# KiCad board Marble.kicad_pcb (continued)
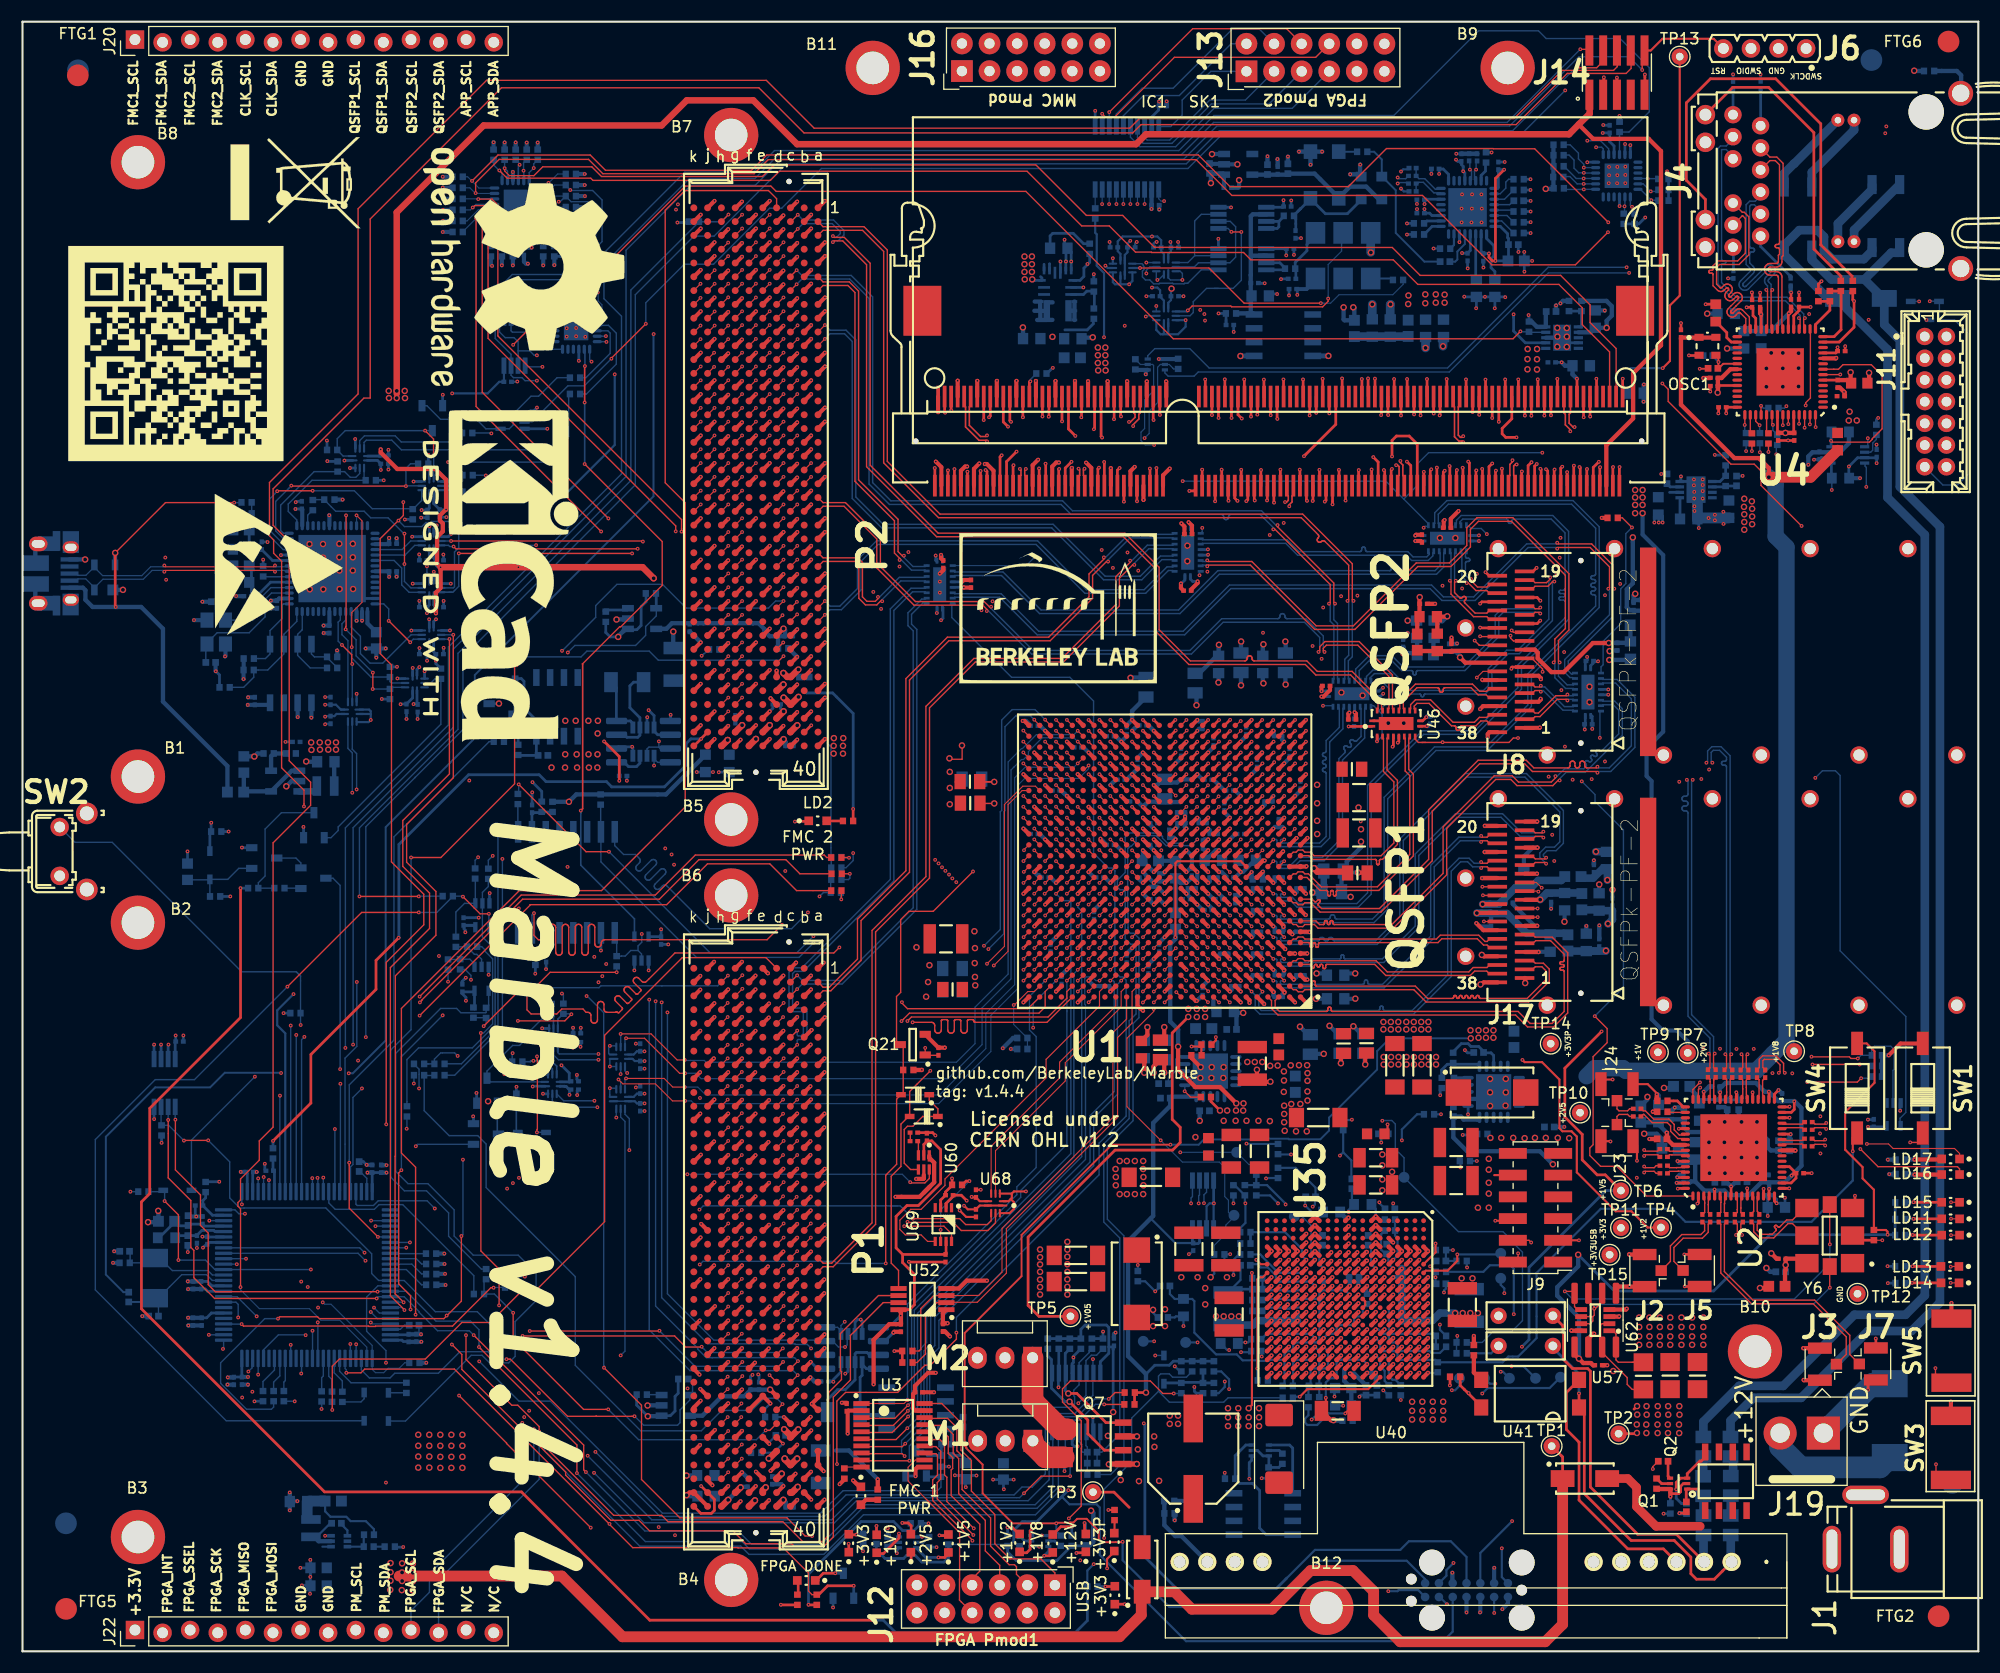
[diagram p0: board, top side]
## Routing (per net, layer and track width the routed paths; a pad name or vN(x,y) marks a point on that pad's centre or on a via; arc(x,y) is an arc through that point) (continued)
  Bottom w0.254: v1(36.52,90.59) 36.3,90.37 U24.2 ; 36.36,86.5 v1(36.36,85.82) ; C178.2 v1(35.34,85.82) ; U16.8 110.07,130.01 v1(110.06,130.02) ; C112.2 117.01,128.55 v1(117.02,128.54) ; v1(111.23,132.91) 111.22,132.92 U19.8 ; C108.2 115.85,126.33 v1(115.83,126.31) ; C117.2 116.76,133.54 v1(116.77,133.55) ; U31.4 142.16,120.45 U31.11 ; v1(141.66,118.65) 141.65,118.64 C25.2 ; C110.2 111.47,121.45 v1(111.48,121.45) ; 114.71,124.95 115.45,124.95 v1(115.47,124.93) ; 150.95,104.51 v1(150.95,103.9) ; Q9.2 43.72,87.22 43.73,87.21 ; v1(51.43,125.95) 51.41,125.93 C342.2 ; v1(72.54,26.64) 73.16,26.01 U63.1 ; v1(36.54,92.34) 36.53,92.34 C180.2 ; C8.2 69.07,86.81 v1(68.77,86.52) ; C121.2 136.44,124.67 v1(136.46,124.64) ; C121.2 135.51,123.64 v1(135.5,123.63) ; C121.2 134.61,124.67 v1(134.6,124.68) 134.58,124.67 C120.2 ; v1(138.8,131.55) 138.79,131.54 R99.1 ; 145.18,88.54 145.94,88.54 v1(145.95,88.53) ; U63.6 79.38,28.55 v1(80.16,29.33) ; R188.2 85.26,17 v1(85.26,17) ; v1(162.2,41.75) 162.21,41.74 162.21,40.94 162.21,41 161.97,41.24 v1(161.44,41.24) 161.44,41.59 161.1,41.93 ; R181.2 114.63,15.93 v1(114.05,15.93) ; 51.15,51.73 51.05,51.63 v1(51.05,51.2) ; v1(155.18,104.31) 154.18,104.31 154.15,104.28 C72.1 154.15,104.13 154.28,104 v1(154.28,103.39) ; 56.17,82.43 56.17,83.19 v1(56.11,83.26) 54.84,83.26 54.67,83.1 ; v1(26.49,8.42) 26.5,8.4 C129.2 ; 94.46,10.65 93.82,10.65 v1(93.81,10.66) ; v1(72.58,90.33) 72.41,90.15 C5.2 ; C411.2 96.17,129.29 95.91,129.56 v1(95.91,129.94) ; C411.2 96.03,129.01 v1(96.03,127.93) 96.02,127.92 U58.17 ; C411.2 96.52,128.81 v1(96.52,127.93) 96.52,127.93 U58.18 ; C58.2 v1(157.43,145.16) ; v1(51.36,55.64) 51.38,55.66 C212.2 ; C38.2 46.9,79.05 v1(46.92,79.07) ; 131.56,50.91 131.63,50.84 U36.12 ; 131.56,50.91 131.56,51.68 C393.2 ; 131.56,50.91 131.56,50.24 C139.2 ; 40.46,61.36 40.46,61.66 v1(40.8,62) ; v1(47.35,114.48) 47.05,114.18 46.75,114.18 46.4,113.83 U61.1 ; v1(82.79,10.54) 82.77,10.52 82.24,10.52 ; 54.68,94.99 v2(54.67,94.97) ; v1(158.32,108.19) 158.3,108.18 C70.2 ; 24.6,14.61 v1(24.6,14.62) ; v1(98.6,126.76) 98.6,126.34 ; U8.3 47.84,57.33 v1(47.83,57.34) ; U28.5 12.1,55.84 v1(12.11,55.85) ; C11.2 65.9,86.14 v1(66.22,86.45) ; 84.18,100.29 84.05,100.42 v1(84.05,100.86) ; v1(47.77,53.34) 47.77,53.33 47.99,53.11 U9.3 ; v1(41.99,67.53) 40.59,67.53 40.56,67.55 ; v1(36.51,100.97) 36.53,100.95 C184.2 ; v1(138.8,133.51) 138.79,133.52 138.17,133.52 ; C123.2 137.66,128.83 v1(137.68,128.81) ; 96.62,20.13 96.62,19.34 ; v1(156.97,126.38) 156.98,126.37 C352.2 ; U17.3 75.97,25.78 75.75,25.56 v1(75.72,25.56) ; 113.92,125.92 v1(114.32,125.92) ; v1(33.68,108.78) 33.67,108.78 C183.2 ; U25.3 39.34,93.96 v1(39.34,93.97) ; U34.24 147.98,138.64 v1(147.98,138.64) ; 132.44,137.84 131.96,137.84 v1(131.96,137.85) ; Q18.2 20.21,73.97 v1(20.19,73.98) ; C355.2 36.53,96.68 v1(36.52,96.69) ; 26.45,6.08 25.73,6.08 v1(25.71,6.07) ; 143.83,86.19 143.83,85.4 C290.2 143.77,84.87 v1(143.79,84.85) ; C138.2 120.75,24.18 v1(120.75,23.45) ; v1(159.97,145.16) 159.97,145.15 C59.2 ; v1(39.42,98.28) 39.41,98.28 U15.3 ; C65.2 67.79,25.41 v1(67.71,25.48) ; v1(38.73,100.96) 38.75,100.94 C187.2 ; U39.23 51.7,124.57 v1(51.71,124.58) ; U25.1 37.44,94.98 v1(37.42,95) ; v1(133.01,127.3) 133,127.31 C125.2 ; v1(134.05,102.2) 134.04,102.2 133.24,102.2 ; R88.2 18.13,89.87 v1(17.79,90.21) ; 150.19,104.51 v1(150.19,103.9) ; v1(25.15,105.78) 25.22,105.85 C164.2 ; 150.59,104.51 v1(150.59,103.9) ; v1(44.29,84.34) 44.31,84.33 R201.2 ; R120.1 v1(22.15,100.49) ; v1(41.48,49.24) 41.51,49.21 Q5.2 ; C126.2 134.44,127.39 v1(134.46,127.37) ; 106.98,99.05 106.98,98.61 106.6,98.23 ; v1(128.34,132.76) 128.34,132.39 C124.2 ; U23.41 31.25,96.91 U23.57 ; v1(144,91.53) 144.02,91.51 144.02,91.25 143.89,91.13 143.89,91.13 143.83,91.07 143.83,90.39 ; R104.2 151.65,12.67 v1(151.03,12.67) ; U17.8 77.28,30.41 v1(77.15,30.53) 76.85,30.53 76.62,30.31 76.62,29.22 ; v1(37.86,99.37) 37.84,99.35 U15.2 ; C39.2 48.19,62.8 v1(48.18,62.79) ; v1(21.35,23) 21.36,23.02 R21.1 ; R272.1 v1(18.97,75.45) ; U23.10 23.79,100.91 v1(23.78,100.9) ; U24.3 37,90.21 v1(37,90.21) ; v1(98.51,21.55) 98.51,21.55 98.51,20.2 ; C310.2 v1(16.05,37.13) ; v1(38.12,103.64) 37.85,103.36 37.85,102.91 U38.2 ; v1(30.62,111.59) 30.64,111.57 U33.3 ; U9.1 46.99,52.01 v1(46.96,51.98) ; C147.1 C149.1 123.2,23.58 v1(123.05,23.43) ; 124.46,88.39 124.88,88.39 125.19,88.7 v1(125.21,88.7) ; U54.10 17.04,33.14 16.83,33.35 C206.2 ; v1(98.73,141.8) 98.72,141.79 U12.11 ; C109.2 117.66,130.07 v1(117.67,130.08) ; R102.1 v1(138.79,134.51) ; C66.2 67,25.29 67.15,25.44 v1(67.18,25.44) ; 130.89,103.55 130.89,103.92 130.88,103.93 v1(130.88,104.13) ; 92.88,9.65 93.55,9.65 v1(93.57,9.63) ; v1(156.55,103.77) 156.59,103.77 157.05,104.24 C71.1 157.05,104.38 v1(156.54,104.89) ; U11.1 57.62,62.69 v1(57.63,62.68) ; C185.2 39,104.39 v1(39.01,104.4) ; 170.64,110.67 v1(170.64,111.07) ; v1(91.22,15.8) 91.22,15.8 C343.2 ; U11.3 56.32,62.69 v1(56.31,62.68) ; v1(133.78,123.63) 133.81,123.65 C120.2 ; C210.2 136.41,137.08 v1(136.41,137.09) ; v1(152.64,108.14) 152.63,108.13 152.63,107.78 U47.4 153.28,107.68 U47.9 ; v1(22.3,44.87) 22.3,44.87 22.3,44.33 ; U39.9 51.2,118.79 v1(51.2,118.79) ; v1(31.67,44.77) 31.37,45.07 C309.1 ; 86.79,16.18 85.82,16.18 v1(85.81,16.2) ; 86.79,16.18 87.79,16.18 v1(87.79,16.18) ; 86.79,16.18 86.79,15.13 v1(86.81,15.1) ; v1(19.36,97.58) C167.2 v1(18.31,98.39) ; v1(19.43,104.77) 19.45,104.74 R116.2 ; v1(59.65,86.21) 59.65,85.68 59.62,85.66 U64.1 ; C308.2 v1(15.21,36.74) ; U28.4 12.1,49 v1(12.11,48.99) ; R101.1 v1(138.79,135.5) ; v1(109.65,41.23) 109.62,41.26 U29.4 ; v1(155.75,110.13) 155.78,110.1 R69.1 ; 80.66,9.52 80.47,9.33 v1(80.47,9.03) ; v1(169.85,48.94) 170.38,48.94 170.41,48.91 ; 34.3,9.58 35.02,9.58 ; 133.57,55.09 133,55.09 v1(132.75,55.34) ; C356.2 38.75,96.68 v1(38.76,96.69) ; U38.3 39.2,102.6 v1(39.44,102.85) ; v1(106.66,103.83) 106.98,103.5 106.98,103.25 ; v1(43,69.79) 42.98,69.77 U7.3 ; 51.2,52.47 51.03,52.64 v1(51.03,53.05) ; v1(38.76,92.37) 38.75,92.36 38.75,91.79 ; U34.18 144.02,137.07 v1(144.01,137.07) ; Q6.2 38.67,115.65 v1(38.68,115.66) ; U20.22 132.25,129.71 v1(132.25,129.71) ; 84.18,96.09 84.18,95.6 v1(84.15,95.57) 84.15,95.65 ; v1(22.55,102.1) 22.53,102.12 C175.2 ; C129.2 26.5,6.85 v1(26.49,6.84) 26.49,6.04 C76.2 ; C129.2 v1(25.57,7.68) ; v1(73.81,27.91) 73.81,27.3 U63.2 ; v1(109.1,101.43) 109.07,101.4 108.33,101.4 ; v1(90.32,14.91) 90.28,14.95 C343.2 ; v1(127.42,130.41) 127.43,130.42 R96.1 ; U34.9 146.98,133.03 v1(146.98,133.03) ; v1(95.53,127.93) 95.52,127.92 U58.16 ; U54.74 35.55,29.14 35.6,29.18 ; C120.2 132.72,124.67 v1(132.69,124.69) ; v1(97.1,18.86) 96.8,18.86 96.61,19.05 96.61,20.2 ; C213.2 51.38,57.39 v1(51.38,57.39) ; C13.1 v1(62.05,80.93) ; R97.1 127.43,131.44 v1(127.42,131.43) ; R100.1 v1(138.8,130.55) ; C360.2 v1(15.19,73.63) ; C168.2 v1(18.36,101.44) ; 129.04,102.2 128.19,102.2 v1(128.19,102.2) ; Q8.2 82.17,16.14 v1(82.19,16.12) ; v1(119.56,88.38) 119.56,88.39 120.26,88.39 ; U30.10 v1(53.24,64.51) ; C343.2 v1(89.33,15.8) ; C132.2 24.64,13.82 ; v1(150.82,108.37) 150.83,108.38 C74.2 ; v1(29.63,109.6) 29.82,109.6 29.84,109.62 U33.1 ; U6.2 165.55,109.87 C44.2 ; v1(65.96,80.94) 65.95,80.93 C12.1 64.09,80.93 v1(64.08,80.91) ; C166.2 v1(24.2,83.71) ; C186.2 33.67,110.59 v1(33.68,110.59) ; C116.2 128.34,133.61 v1(128.34,133.23) ; Q17.2 41.8,51.38 v1(41.78,51.4) ; v1(57.5,85.98) 57.47,85.96 U32.3 ; C75.2 15.9,40.11 v1(15.99,40.02) ; 20.68,42.31 20.68,43.99 C198.2 ; v1(26.46,5.29) 26.45,5.31 26.45,6.03 ; 110.95,33.33 C152.1 C144.1 ; U61.3 v1(48.3,112.53) ; C182.2 36.69,104.35 v1(36.69,104.35) ; v1(42.9,62.27) 42.9,62.27 U10.3 ; 129.68,136.49 129.68,136.01 ; U38.10 35.87,102.6 v1(35.86,102.59) ; C191.1 14.8,56.68 v1(14.81,56.68) ; 85.53,98.44 86.36,98.44 v1(86.41,98.39) ; v1(164.88,109.69) 165.29,109.69 ; C291.2 122.6,85.88 v1(122.6,86.43) 122.61,86.43 122.61,87.04 ; v1(116.56,124.81) 116.57,124.81 C115.2 ; v1(145.49,140.5) 145.52,140.46 C215.2 ; R98.1 v1(138.8,132.53) ; v1(52.19,124.58) 52.2,124.57 U39.24 ; R212.2 110.65,15.9 v1(110.65,16.43) ; v1(38.06,95) 37.84,94.78 U25.2 ; v1(16.56,38.17) 16.56,38.16 17.02,38.16 17.04,38.14 U54.20 ; C351.2 v1(55.62,80.13) ; v1(59.43,65.07) 59.43,65.07 C78.2 ; 130.48,51.68 v1(130.48,51.19) ; v1(39.47,107.69) 39.46,107.68 U26.3 ; 172.8,50.45 172.8,49.76 v1(172.81,49.75) ; v1(25.85,75.89) 25.87,75.87 Q24.2 ; Q19.2 v1(74.6,4.03)
  Bottom w0.381: v1(20.75,24.54) 20.74,24.55 C203.2 ; R144.2 v1(38.82,36.6) ; C199.2 v1(15.99,40.02) 15.28,40.02 15.24,40.06 ; 8.98,35.75 v1(8.33,35.75) ; R146.2 v1(38.83,35.65) ; C219.2 113.97,67.88 v1(114.12,67.73) ; v1(112.12,68.73) 111.97,68.88 C248.2 ; C269.2 108.62,68.23 v1(108.12,68.73) ; C271.2 104.47,74.38 v1(104.12,74.73) ; C261.2 109.62,83.23 v1(109.12,82.73) ; v1(102.12,80.73) 102.62,81.23 C389.2 ; v1(94.12,63.73) U1.E24 C258.2 ; C262.2 93.62,75.23 v1(94.12,74.73) ; C256.2 111.62,75.23 v1(111.12,74.73) ; C387.2 100.62,84.23 v1(101.12,83.73) 101.64,84.25 C388.2 ; C260.2 98.62,68.23 v1(99.12,68.73) ; C231.2 107.27,69.88 v1(107.12,69.73) 107.47,69.38 C277.2 ; v1(117.12,78.73) 117.62,79.23 C338.2 ; v1(116.12,75.73) 115.97,75.88 C391.2 115.27,75.88 v1(115.12,75.73) ; C336.2 113.62,81.23 v1(113.12,80.73) ; C250.2 100.62,74.23 v1(101.12,73.73) ; 109.47,80.23 109.62,80.23 v1(110.12,79.73) 110.62,79.23 110.77,79.23 ; C234.2 117.97,69.88 v1(118.12,69.73) ; v1(94.12,84.73) 93.62,85.23 93.47,85.23 ; 109.97,75.23 109.97,75.58 v1(110.12,75.73) ; v1(98.12,82.73) 97.62,83.23 97.47,83.23 ; C333.2 U1.E14 v1(104.12,63.73) 103.62,63.23 C335.2 ; v1(114.12,63.73) 113.97,63.88 C217.2 ; C275.2 104.62,69.23 v1(105.12,68.73) ; C264.2 U1.M7 v1(112.12,71.73) 112.32,71.73 113.37,72.79 v1(114.32,72.79) ; C390.2 v1(103.12,77.73) ; C392.2 108.62,61.23 v1(109.12,61.73) ; C279.2 104.47,76.38 v1(104.12,76.73) ; C221.2 113.97,61.88 v1(114.12,61.73) ; C245.2 94.62,71.23 v1(95.12,70.73) ; v1(111.12,63.73) 110.97,63.88 110.97,64.23 ; v1(109.12,69.73) U1.K9 C267.2 ; C337.2 111.97,60.88 v1(112.12,60.73) ; C332.2 116.62,82.23 v1(116.12,81.73) ; v1(112.12,83.73) 112.62,84.23 C334.2 ; C381.2 113.97,69.88 v1(114.12,69.73) ; C249.2 U1.D17 v1(101.12,62.73) ; C229.2 109.97,70.88 v1(110.12,70.73) ; C4.2 113.97,65.88 v1(114.12,65.73) ; v1(115.12,70.73) 115.27,70.88 C380.2 ; v1(109.12,76.73) 108.97,76.58 C223.2 ; 109.37,136.92 110.55,136.92 U13.2 v2(111.81,136.87) ; 137.17,68.91 137.17,68.76 139.16,66.78 v1(139.4,66.78) ; C404.2 v1(140.68,68.35) ; v1(139.43,73.98) 138.99,73.98 138.18,73.16 C408.2 ; C401.2 145.1,70.57 v2(145.12,70.59) ; C407.2 141.93,67.17 v2(141.92,67.16) ; v2(146.34,70.09) 146.32,70.08 146.32,69.43 ; v1(139.53,64.36) 139.55,64.39 C409.2 ; C208.2 32.19,44.77 v1(31.67,44.77) ; C176.2 34.43,102.45 v1(34.43,102.45) ; 134.17,5 134.17,3.6 v1(134.15,3.58) ; v1(110.12,73.73) 110.12,73.73 109.82,73.73 108.9,72.81 108.83,72.81 108.83,72.02 v1(109.12,71.73) ; 121.65,62.4 v2(122.66,62.4) ; C173.2 v1(32.56,91.47) ; C173.2 v1(31.58,92.31) ; C173.2 33.42,92.31 v1(33.42,92.31) ; v1(27.72,93.73) 27.73,93.72 C170.2 ; v1(171.76,54.86) R299.2 171.14,53.89 R298.2 171.14,53.87 R297.2 ; v1(15.78,94.92) 15.79,94.92 Y4.4 ; R44.2 v1(45.13,127.57) ; C23.2 129.28,86.07 v1(129.2,85.98) ; 38.08,34.74 v1(38.88,34.74) ; U5.9 45.14,136.17 v1(45.14,136.17) ; v1(109.12,74.73) 108.78,74.73 108.64,74.58 ; v1(20.76,87.81) 20.77,87.82 C163.2 ; 132.9,5 v1(132.9,3.58) ; R142.2 v1(46.24,33.49) ; v1(95.12,60.74) 95.12,60.74 95.62,61.23 95.62,61.38 ; v1(96.12,78.73) 95.9,78.96 95.87,78.96 95.6,79.23 C247.2 ; C171.2 17.77,90.23 v1(17.79,90.21) ; 9,36.82 v1(8.43,36.82) ; v2(119.76,54.99) 118.39,54.99 118.27,54.87 ; 98.77,71.23 98.62,71.23 v1(98.12,71.73) ; v1(100.6,29.34) 100.45,29.19 100.45,28.88 ; v1(118.25,61.82) 117.97,62.11 C230.2 ; C165.2 v1(16.56,96.61) ; v1(22.87,95.99) 22.89,96.01 C169.2 ; R85.2 102.46,117.95 Q15.4 103.51,117.95 103.39,117.83 103.39,117.56 v1(103.38,117.55) ; C40.1 46.15,127.91 46.34,127.73 v1(46.51,127.73) ; C251.2 98.62,61.23 v1(98.12,61.73) ; v1(30.74,94.86) 30.75,94.86 U23.45 ; C197.2 33.02,44.75 v1(33.5,44.75) ; v1(104.12,71.73) 103.11,72.74 103.11,73.72 v1(103.12,73.73) ; C201.2 15.27,29.99 v1(15.26,29.99) ; U37.12 108.67,52.76 U37.21 ; v1(36.67,29.18) 36.67,29.18 35.6,29.18 ; v1(118.46,66.19) 118.01,66.19 C232.2 ; 156.25,123.13 v2(155.05,123.13) ; Y4.2 18.68,91.62 v1(18.64,91.58) ; v1(34.43,98.91) 34.43,98.92 C177.2 ; v2(111.97,135.42) 111.97,134.81 111.88,134.71 C80.2 ; C174.2 19.67,97.12 v1(19.66,97.13) ; v1(28.23,104.57) 28.25,104.56 U23.21 ; v2(122.67,60.07) 122.65,60.06 C225.2 ; R42.2 v1(51.74,130.9) ; v1(37.16,26.56) R137.2 ; C206.2 15.24,33.35 v1(15.24,33.34) ; C406.2 135.13,66.72 134.11,66.72 v1(133.8,67.02) ; C209.2 18.87,24.53 18.87,24.54 v1(18.87,24.55) ; R43.2 v1(44.12,127.57) ; v1(26.58,85.94) 26.59,85.96 U21.5 ; R84.2 106.33,118.95 Q15.1 v1(104.58,118.95) ; v1(136.2,3.88) 136.71,4.39 136.71,5 ; v1(38.94,33.72) 38.31,33.72 38.29,33.75 ; R127.2 v1(29.46,106.01) ; C198.2 v1(20.09,44.12) ; v1(135.45,7.68) 135.44,7.67 J21.13 ; C92.2 v1(11.02,30.85)
  Bottom w0.4: v2(9.24,97.7) 9.24,97.7 D13.1 ; J10.5 5.76,100.5 v2(5.76,100.5) ; J10.6 1.18,101.66 J10.6 ; J10.6 1.18,96.74 J10.6 ; 116.26,91.89 116.26,92.92 ; v1(145.62,123.41) 145.61,123.43 C22.2 ; U31.8 U31.11 ; C24.2 141.13,123.88 v1(141.14,123.88) ; 160.45,35.33 v2(160.5,35.28) 160.85,34.93 C28.2 ; 121.29,69.97 121.33,69.97 121.85,69.45 122.22,69.45 v2(122.23,69.44) ; C386.2 108.3,90.02 109.92,91.64 C282.2 110.08,92.61 v2(110.12,92.64) ; C326.2 159.81,43.85 v2(159.66,44) 159.5,44 C366.2 ; C236.2 115.15,60.35 v1(115.15,60.68) ; R222.2 91.54,55.44 v1(90.96,55.44) ; v1(154.73,51.5) 155.22,51.98 C329.2 ; C238.2 115.27,62.58 v1(115.12,62.73) ; R12.1 64.36,92.22 v1(64.94,92.8) ; v1(71.29,94.07) 70.88,93.66 C10.2 ; C280.2 114.15,92.63 v2(114.21,92.69) ; C286.2 112.14,92.94 v2(112.15,92.95) ; C47.1 160.44,119.52 v2(160.94,119.52) ; v1(66.22,16.48) 66.74,15.95 C67.2 ; 154.33,48.92 155.04,48.92 v2(155.24,48.73) ; C364.2 155.76,43.34 155.26,43.83 v2(155.26,44) ; 145.12,65.6 145.12,65.6 v1(145.12,66.82) ; v1(104.62,132.72) 104.61,132.72 C312.2 ; v2(131.13,95.27) 130.68,94.82 129.86,94.82 129.81,94.87 ; 105.11,70.73 105.11,70.76 104.97,70.89 C218.2 ; v2(26.11,81.91) 26.13,81.88 C172.2 ; C148.1 122.95,34.38 v1(122.95,33.63) ; v2(98.5,120.95) 98.47,120.92 97.47,120.92 ; v1(149.22,116.6) 149.21,116.59 C27.2 149.21,115.04 v1(149.2,115.03) ; U22.2 24.76,80.1 v2(24.28,79.62) ; 147.99,91.48 C302.2 147.88,91.25 v2(146.05,91.25) ; C16.2 101.62,80.23 v1(102.12,80.73) ; 123.55,53.99 123.54,54.01 C270.2 ; 121.31,54.1 121.34,54.1 121.35,54.12 C268.2 ; v1(108.12,85.73) 108.24,85.61 C17.2 ; v1(143.06,117.14) 142.66,117.54 C26.2 141.98,118.33 v1(141.66,118.65) ; C253.2 102.01,89.64 v2(101.98,89.6) ; R165.1 174.13,145.47 v2(174.1,145.49) ; C7.2 70.93,83.55 v1(71.29,83.91) ; v1(115.12,66.73) 115.27,66.58 C228.2 ; C376.2 152.65,50.03 152.4,50.03 152.38,50.05 v1(152.07,50.05) 151.81,49.8 C369.2 ; v1(152.3,43.63) 152.52,43.85 C325.2 ; C63.2 70.95,13.59 v1(71.29,13.94) ; 24.6,14.61 C132.2 v1(24.6,12.98) ; v1(144.62,72.81) C399.2 ; v2(146.07,92.07) 146.14,92.13 C299.2 ; C273.2 102.78,71.08 v1(103.12,70.73) ; v1(150.42,51.27) 150.47,51.27 150.57,51.17 C370.1 ; C60.2 162.73,125.11 v1(162.77,125.08) ; 121.22,40.43 121.74,39.91 v1(122.04,39.91) ; C382.2 v1(141.89,48.26) ; v2(127.48,94.87) 127.48,94.87 C296.2 ; C15.2 103.62,85.23 v1(104.12,84.73) ; R119.2 21.61,82.64 v2(21.33,82.36) 21.32,82.38 C162.2 ; v1(114.12,77.73) 114.33,77.94 C18.2 ; 121.56,71.66 121.59,71.68 v2(122.91,71.68) ; 121.56,71.66 121.88,71.97 121.88,72.7 123.19,74.01 v2(123.19,74.53) ; 121.56,71.66 121.39,71.49 121.39,69.97 ; C383.2 111.73,58.51 111.47,58.77 v2(112.35,58.77) ; v2(158.21,48.73) 157.95,48.99 C372.2 ; 175.61,122.55 v1(175.23,122.55) ; C315.2 105.31,142.24 v1(105.31,142.67) ; v1(162.73,47.59) 162.63,47.49 C367.2 162.61,47 C368.2 ; 59.89,92.74 59.89,93.86 v2(59.89,93.86) ; v2(156.66,48.73) 156.89,48.96 C371.2 156.67,50.08 C327.2 ; C301.2 131.99,92.73 v1(132.03,92.77) ; 62.11,14.28 61.2,14.28 v2(61.11,14.37) ; v1(106.04,12.06) 106.03,12.07 R198.2 ; C216.2 107,77.21 v1(107,76.83) ; C68.1 61.12,16.18 v2(61.11,16.17) ; 61.39,93.85 61.43,93.85 v1(62.42,92.87) ; v1(141.55,124.07) 141.78,124.3 R30.2 ; U43.2 57.54,22.63 v2(57.53,22.62) ; 133.89,137.84 133.88,137.85 132.45,137.85 132.44,137.84 ; v2(92.07,121.86) 92.09,121.85 92.09,120.92 ; v1(152.5,12.71) 153.2,12.71 153.25,12.66 ; v1(72.51,25.21) 72.9,24.83 73.5,24.83 ; v1(106.12,81.73) 106.63,82.24 C257.2 ; C322.1 155.19,46.87 v2(155.21,46.85) ; U36.21 134.74,50.84 U36.12 ; v1(143.93,66.76) 143.92,66.76 C403.2 ; C64.2 69.85,15.38 v1(70.03,15.21) ; C14.2 115.13,84.33 v1(115.13,84.73) ; C357.2 161.93,51.34 v1(161.62,51.65) ; v2(108.35,48.83) 108.34,48.84 C142.2 ; 55.73,94.99 54.68,94.99 ; v1(103.12,77.73) 103.6,78.21 104.35,78.21 104.38,78.17 106.56,78.17 v1(107.12,78.73) ; v1(111.12,76.73) 110.61,77.24 C19.2 ; 127.48,93.73 127.48,93.73 127.07,93.32 C294.2 ; 149.44,97.39 148.82,96.76 148.31,96.76 148.28,96.73 C295.2 148.28,97.19 v2(148.43,97.34) ; 106.28,76.23 106.28,75.89 v1(106.12,75.73) 105.97,75.58 105.61,75.58 ; 24.64,13.82 v1(25.3,13.82)
  Bottom w0.402: C91.2 115.52,137.33 v1(115.5,137.36) ; C81.2 v1(114.58,137.61) ; C107.2 v1(116.46,137.58) ; v1(118.54,136.84) 118.54,136.84 Y2.2 ; Y2.2 119.61,138.05 v1(119.61,138.04) ; Y2.2 117.48,138.05 v1(117.48,138.04) ; v1(123.12,136.85) 123.11,136.84 123.11,135.96 122.21,135.96 v1(122.2,135.96)
  Bottom w0.454: 120.17,119.24 118.93,119.24 ; U14.5 112.1,119.24 v2(112.09,119.23)
  Bottom w0.7: 145.55,73.6 144.79,73.6
  Bottom w0.802: Y3.3 124.08,128.77 ; C119.2 130.74,120.93 v2(130.74,120.13) ; C113.2 125.88,123.96 v2(125.91,123.99) ; C118.2 v2(129.13,119.97) ; C111.2 v2(124.23,123.99)
  Bottom w1: U47.9 154.15,106.81 C72.1 154.25,104.33 C71.1
  Bottom w2: J19.1 170.29,24.63 D10.2
  vias: v1(13.14,100.68) v1(13.22,98.63) v1(35.04,9.59) v1(50.09,122.52) v1(50.09,121.78) v1(50.09,121.02) v1(50.95,122.49) v1(50.95,121.81) v1(50.95,121.05) v1(51.8,122.49) v1(51.8,121.78) v1(51.8,121) v1(78.31,97.51) v1(79.02,95.95) v1(80.72,99.85) v1(81.53,101.18) v1(84.43,98.47) v1(84.43,97.45) v1(88.26,95.82) v1(89.28,96.65) v1(99.32,101.37) v1(100.35,99.72) v1(101.7,101.15) v1(102.69,99.47) v1(103.12,58.97) v1(108.83,122.49) v1(109.05,99.38) v1(114.79,102.76) v1(116.08,103.86) v1(118.73,92.54) v1(119.57,91.35) v1(119.71,96.08) v1(121.36,97.12) v1(122.86,97.17) v1(123.17,76.39) v1(127.48,93.73) v1(129.66,135.99) v1(130.69,98.09) v1(132.49,134.11) v1(132.44,132.8) v1(132.45,131.53) v1(132.5,97.83) v1(133.39,132.8) v1(133.36,131.53) v1(133.42,134.11) v1(133.86,99.18) v1(134.27,134.11) v1(134.28,131.53) v1(134.31,132.8) v1(140.46,80.51) v1(140.79,75.16) v1(140.98,72.75) v1(141.2,99.08) v1(141.48,100.67) v1(141.55,102.49) v1(141.63,88.47) v1(141.89,91.98) v1(142.67,80.23) v1(144.42,80.28) v1(145.64,97.21) v1(145.64,81.91) v1(145.99,135.14) v1(146.02,136.63) v1(146.02,135.87) v1(146.78,136.63) v1(146.78,135.87) v1(146.76,135.14) v1(147.04,98.25) v1(147.52,136.66) v1(147.52,135.9) v1(147.52,135.14) v1(148.57,43.59) v1(152.48,80.04) v1(153.83,107.86) v1(153.83,107.33) v1(153.86,106.72) v1(153.86,106.11) v1(153.88,105.4) v1(153.88,104.97) v1(154.51,80.29) v1(154.64,107.86) v1(154.64,107.36) v1(154.64,106.8) v1(154.64,106.11) v1(154.7,55.45) v1(155.23,81.16) v1(155.76,104.61) v1(155.76,104.11) v1(156.23,55.46) v1(157.75,55.44) v1(157.96,37.65) v1(159.34,55.45) v1(161.06,53.22) v1(162.88,53.2) v1(164.44,123.09) v1(165.47,49.24) v1(165.44,47.66) v1(165.47,45.83) v2(26.41,101.92) v2(26.41,100.68) v2(26.41,99.46) v2(26.44,97.76) v2(27.66,101.92) v2(27.66,100.68) v2(27.66,99.46) v2(27.68,97.76) v2(29.16,101.95) v2(29.16,100.7) v2(29.16,99.48) v2(29.18,97.78) v2(30.4,101.95) v2(30.4,100.7) v2(30.4,99.48) v2(30.43,97.78) v2(43.85,87.24) v2(82.28,64.8) v2(83.16,60.25) v2(83.34,61.6) v2(83.47,63.15) v2(85.34,80.95) v2(85.34,79.47) v2(85.34,77.97) v2(99.9,19.83) v2(99.98,17.21) v2(101.08,15.76) v2(102.56,19.78) v2(102.55,17.24) v2(102.65,18.58) v2(102.75,15.66) v2(104.05,29.93) v2(104.15,19.78) v2(104.18,18.81) v2(104.61,15.69) v2(105.15,31.48) v2(105.15,29.93) v2(105.59,21.69) v2(105.59,20.93) v2(106.35,21.69) v2(106.35,20.93) v2(106.65,34.43) v2(107.21,101.77) v2(107.21,100.35) v2(107.95,47.33) v2(108.15,34.43) v2(108.41,52.78) v2(108.85,33.43) v2(108.85,31.93) v2(109.45,53.77) v2(109.42,52.78) v2(110.54,53.77) v2(110.52,52.78) v2(110.55,48.83) v2(110.85,34.43) v2(111.65,48.83) v2(112.65,48.83) v2(113.75,48.83) v2(114.8,48.8) v2(116.23,92.95) v2(120.19,119.24) v2(121.38,88.26) v2(122.96,77.66) v2(123.19,75.67) v2(123.34,87.98) v2(124.1,128.76) v2(125.15,45.73) v2(125.15,44.73) v2(125.15,43.43) v2(125.15,42.43) v2(125.7,85.44) v2(126.05,44.13) v2(127.12,85.44) v2(130.45,102.48) v2(131.87,102.48) v2(132.45,34.33) v2(133.45,34.33) v2(133.95,40.83) v2(134.95,45.33) v2(134.95,44.33) v2(134.95,43.13) v2(134.95,42.13) v2(134.95,40.83) v2(135.07,52.69) v2(135.07,51.44) v2(135.07,50.2) v2(136.49,50.23) v2(136.52,52.69) v2(136.52,51.44) v2(141.25,121.81) v2(141.27,121.01) v2(141.25,120.09) v2(142.13,121.8) v2(142.14,121.02) v2(142.13,120.07) v2(144.22,88.79) v2(144.22,87.37) v2(144.82,73.6) v2(155.24,45.45) v2(156.64,46.85) v2(156.66,45.45) v2(156.69,44) v2(158.18,46.85) v2(158.21,45.45) v2(158.24,44) v2(159.63,48.73) v2(159.61,46.85) v2(159.63,45.45) v2(160.5,118.09) v2(160.5,116.4) v2(162.01,119.52) v2(162.01,118.09) v2(162.01,116.4) v2(163.46,119.49) v2(163.46,118.11) v2(163.46,116.42)
